# Altium PCB PCB3.PcbDoc (part 2 of 2)
Units mm, origin at the board's own origin, x right, y up, seen from the top; angles counter-clockwise.
Board outline 148.46 x 104.65 mm, 2 copper layers (Top Layer, Bottom Layer); 124 components, 113 nets, 458 pads, 242 vias.
Unrouted connection lines stored in the file: 5.
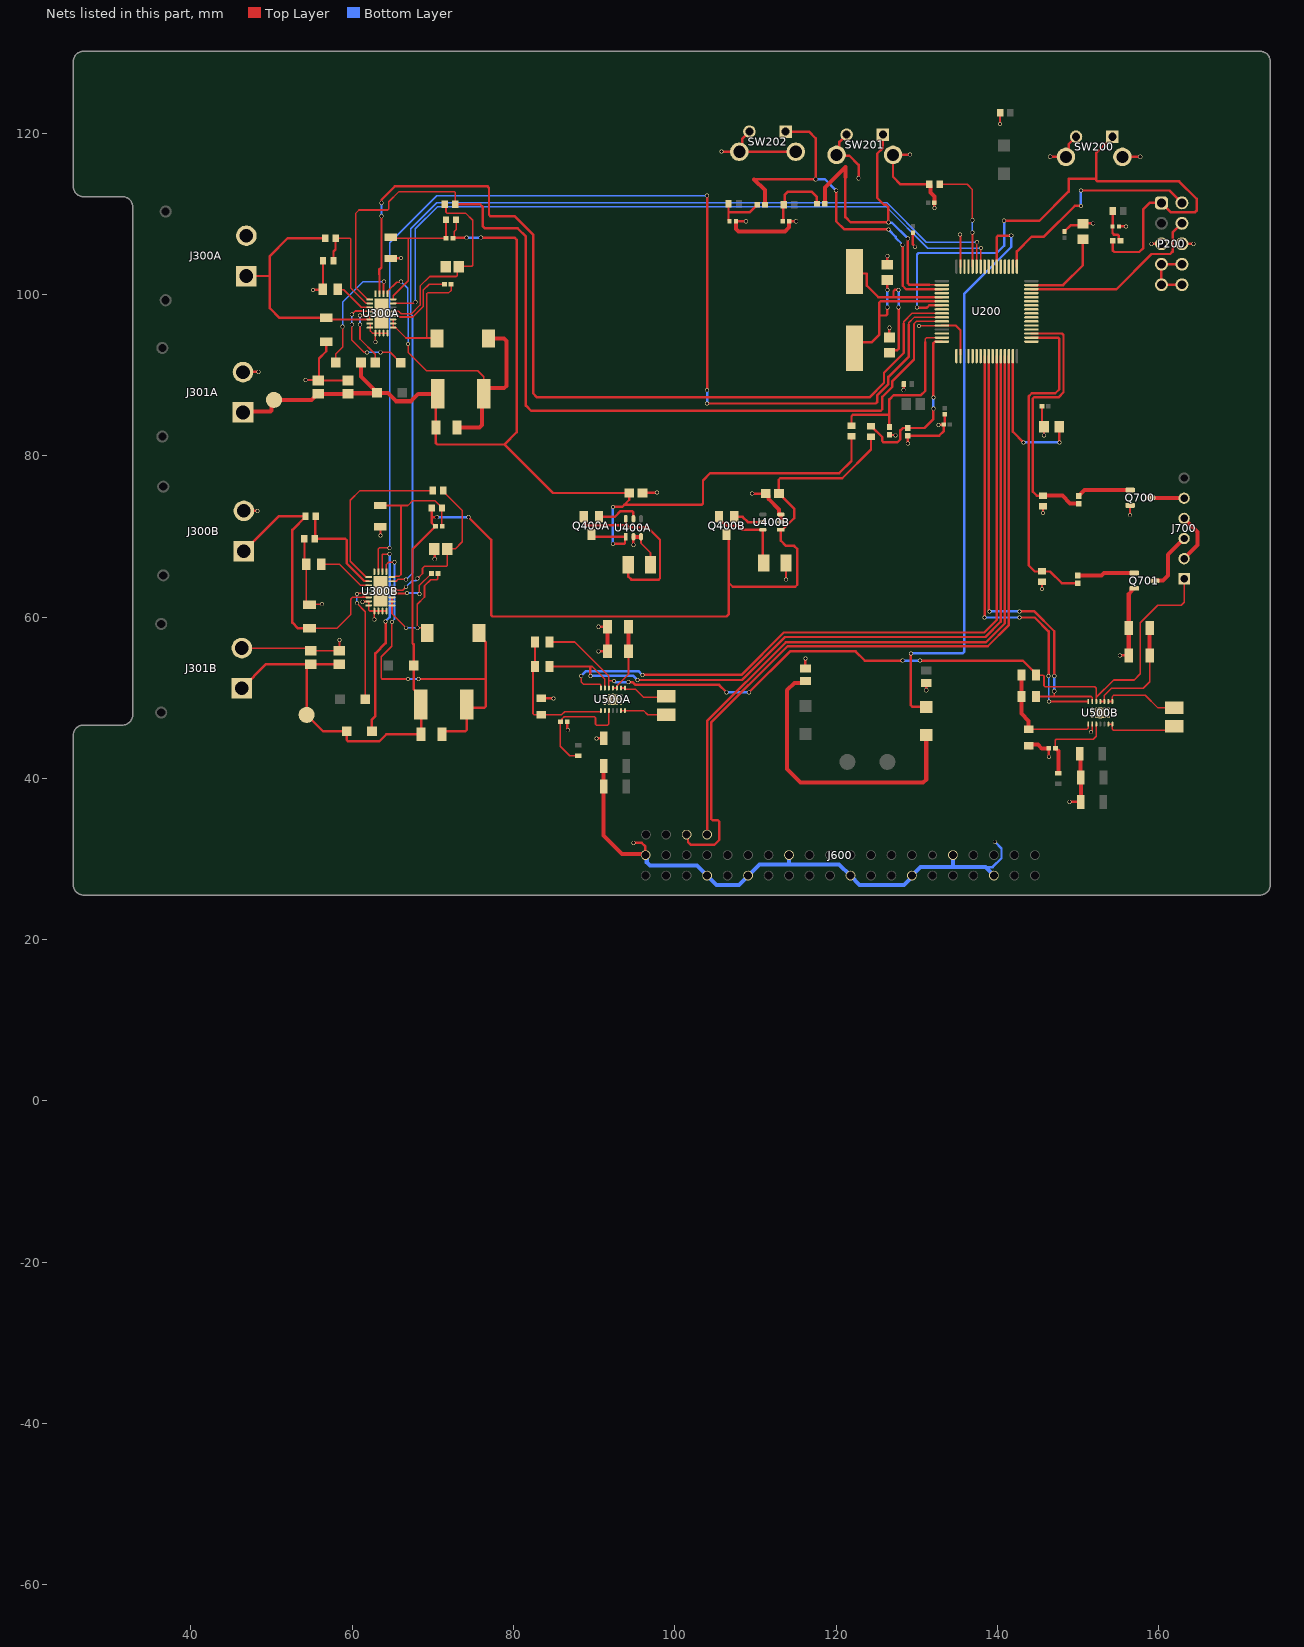
[diagram p2: the nets of this part, all layers, seen from the top]

## Via types
v1: diameter 0.5, hole 0.4, Top Layer to Bottom Layer, 167 vias
v2: diameter 0.5, hole 0.5, Top Layer to Bottom Layer, 40 vias
v3: diameter 0.35, hole 0.2, Top Layer to Bottom Layer, 30 vias
v4: diameter 5, hole 3.1, Top Layer to Bottom Layer, 5 vias

## Nets (pads, with @x,y where several pads share a name; then routed paths per layer and width w, separated by ;. In a path a pad name is that pad's centre, name@x,y a point inside that pad or via, vN(x,y) a via of type N, cw(c..) or ccw(c..) an arc to the next point about the centre after c; other vN are vias at no path point) (continued)
"C LED USE": D700.1 R705.2 | length 36.1
  Top Layer w0.5: R705.2@116.205,52.07 115.98,51.845 114.837,51.845 113.919,50.927 113.919,41.148 115.57,39.497 130.81,39.497 131.191,39.878 D700.1@131.191,45.367
EN: NT1A.2 U300A.4 | length 12.8
  Top Layer w0.2: v1(59.944,96.266) 59.944,94.361 61.468,92.837 61.833,92.837 v1(61.841,92.829) ; v1(59.944,97.536) 60.367,97.959 61.279,97.959 61.325,97.913 U300A.4@62.186,97.913 U300A.4@62.184,97.915 ; v1(63.5,92.837) 64.72,92.837 NT1A.2@65.996,91.561
  Bottom Layer w0.2: v1(59.944,96.266) v1(59.944,97.536) ; v1(61.841,92.829) 61.845,92.833 63.496,92.833 v1(63.5,92.837)
"EN B": NT1B.2 U300B.4 | length 18.3
  Top Layer w0.2: NT1B.2@58.491,49.8 58.42,49.871 58.42,51.064 58.537,51.181 59.309,51.181 60.071,51.943 60.071,57.277 v1(58.801,58.547) ; v1(58.801,60.071) 58.801,62.992 59.256,63.447 U300B.4@62.044,63.447
  Bottom Layer w0.2: v1(58.801,58.547) v1(58.801,60.071)
"EN B": J700.1 R502A.1 R502B.1 U500A.12 U500B.12 | length 100.6
  Top Layer w0.2: R502A.1@84.466,56.913 87.613,56.913 91.826,52.7 91.826,52.197 ; U500A.12@91.826,51.201 91.826,52.197 ; v1(92.456,52.07) 92.409,52.117 91.906,52.117 91.826,52.197 ; R502B.1@144.791,52.804 145.679,52.804 145.796,52.686 145.796,51.467 145.913,51.35 152.104,51.35 152.289,51.165 152.289,50.054 ; U500B.12@152.281,49.533 152.289,49.541 152.289,50.054 ; J700.1@163.174,64.743 163.174,61.828 162.814,61.468 159.894,61.468 157.734,59.308 157.734,52.959 156.972,52.197 154.432,52.197 152.289,50.054
  Top Layer w0.3: v1(94.234,51.943) 94.272,51.905 94.821,51.905 95.128,51.597 105.502,51.597 v1(106.426,50.673) ; v1(109.22,50.673) 114.3,55.753 122.428,55.753 123.571,54.61 v1(128.27,54.61) ; v1(130.429,54.61) 143.16,54.61 144.791,52.979 R502B.1@144.791,52.804
  Bottom Layer w0.3: v1(92.456,52.07) 92.51,52.07 92.637,51.943 v1(94.234,51.943) ; v1(106.426,50.673) v1(109.22,50.673) ; v1(128.27,54.61) v1(130.429,54.61)
FB: C303A.2 R303A.1 R306A.2 U300A.20 | length 17.6
  Top Layer w0.2: R306A.2@64.77,107.125 64.897,106.998 66.929,106.998 ; U300A.20@65.068,99.413 65.068,99.85 66.929,101.711 66.929,106.998 ; C303A.2@71.628,109.284 R303A.1@71.628,106.998 66.929,106.998
"FB B": C303B.2 R303B.1 R306B.2 U300B.20 | length 20.4
  Top Layer w0.2: R306B.2@63.485,73.842 66.04,73.842 ; U300B.20@64.926,64.947 65.231,64.947 65.369,65.085 65.847,65.085 66.04,65.278 66.04,73.842 ; R303B.1@71.164,71.247 71.11,71.301 C303B.2@71.11,73.533 71.11,73.583 70.271,74.422 67.486,74.422 66.905,73.842 66.04,73.842
"FB TPS": R501A.1 R503A.2 U500A.3 | length 14.7
  Top Layer w0.2: R501A.1@88.011,42.801 86.993,42.801 85.808,43.986 R503A.2@85.808,47.007 85.833,47.007 86.008,47.182 86.008,47.357 86.276,47.625 90.053,47.625 90.17,47.508 90.17,46.736 90.297,46.609 91.694,46.609 91.826,46.741 U500A.3@91.826,48.401
"FB TPS B": R501B.1 R503B.2 U500B.3 | length 11
  Top Layer w0.2: R503B.2@147.287,43.665 R503B.2@147.237,43.715 147.193,43.759 147.193,44.714 147.31,44.831 151.892,44.831 152.281,45.22 U500B.3@152.281,46.733
  Top Layer w0.5: R503B.2@147.287,43.665 147.574,43.378 R501B.1@147.574,40.638
G1: Q700.1 R700.2 | length 6.7
  Top Layer w0.5: R700.2@150.114,75.024 150.114,75.049 150.189,75.124 150.214,75.124 150.843,75.753 Q700.1@156.479,75.753
G2: R702.1 R703.2 U200.34 | length 41.9
  Top Layer w0.3: U200.34@144.234,94.668 147.521,94.668 147.701,94.488 147.701,88.265 147.193,87.757 144.272,87.757 143.891,87.376 143.891,66.421 144.653,65.659 R703.2@145.542,65.659 146.558,65.659 148.016,64.201 R702.1@149.987,64.201
GND: C200.1 C201.1 C202.1 C203.1 C204.1 C205.1 C206.1 C207.2 C208.2 C209.2 C210.2 C211.2 C212.2 C213.2 C301A.2 C301B.2 C304A.2 C304B.2 C305A.2 C305B.2 C306A.1 C306B.1 C400A.2 C400B.2 C401A.2 C401B.2 C500A.1 C500B.1 C501A.1 C501B.1 C502A.1 C502B.1 C503A.1 C503B.1 C504A.1 C504B.1 C505A.2 C505B.2 J300A.N J300B.N J301A.N J301B.N J600.6 J600.9 J600.14 J600.20 J600.25 J600.30 J600.34 J600.39 P200.5 P200.6 Q700.2 Q701.2 R202.1 R203.1 R210.1 R304A.2 R304B.2 R305A.1 R305B.1 R306A.1 R306B.1 R503A.1 R503B.1 R701.1 R703.1 R704.1 R705.1 R706.1 SW200.2 SW200.3 SW200.4 SW201.2 SW201.3 SW201.4 SW202.2 SW202.3 SW202.4 U200.12 U200.18 U200.63 U300A.7 U300A.8 U300A.9 U300A.10 U300A.11 U300A.12 U300A.25 U300B.7 U300B.8 U300B.9 U300B.10 U300B.11 U300B.12 U300B.25 U400A.2 U400A.3 U400B.2 U400B.3 U500A.2 U500A.15 U500B.2 U500B.15 | length 272.7
  Top Layer w0.2: J301B.N@46.307,56.157 54.509,56.157 C305B.2@54.849,55.817 C304B.2@58.405,55.817 58.42,55.832 v1(58.42,57.15) ; R304B.2@54.072,69.723 54.072,66.781 R305B.1@54.305,66.548 54.305,61.963 C301B.2@54.722,61.546 54.771,61.595 v1(56.261,61.595) ; v1(61.258,61.892) 61.305,61.939 62.036,61.939 U300B.7@62.044,61.947 U300B.8@62.044,61.447 62.044,60.892 62.18,60.756 U300B.9@62.735,60.756 ; U300A.8@62.186,95.913 U300A.8@62.21,95.913 ; U300A.7@62.186,96.413 62.21,96.413 62.23,96.393 62.23,95.933 U300A.8@62.21,95.913 ; v1(62.738,59.69) 62.737,59.691 62.737,60.755 U300B.9@62.735,60.756 ; v1(62.865,94.107) 62.871,94.113 62.871,95.216 U300A.9@62.877,95.222 ; U300B.12@64.235,60.756 U300B.11@63.735,60.756 U300B.10@63.235,60.756 U300B.9@62.735,60.756 ; U300A.12@64.377,95.222 U300A.11@63.877,95.222 U300A.10@63.377,95.222 U300A.9@62.877,95.222 ; U400A.3@95.819,69.962 95.819,69.154 96.984,67.989 C401A.2@96.984,66.505 ; v1(130.302,96.118) 130.338,96.154 133.119,96.154 U200.12@133.134,96.168 ; v1(151.638,45.72) 151.638,45.801 151.781,45.944 U500B.2@151.781,46.733 ; U300A.8@62.21,95.913 62.223,95.913 62.242,95.893 62.242,95.492 62.512,95.222 U300A.9@62.877,95.222
  Top Layer w0.3: J301A.N@46.449,90.384 46.469,90.404 48.367,90.404 v1(48.387,90.424) ; J300B.N@46.561,73.175 46.572,73.163 48.249,73.163 v1(48.26,73.152) ; v1(54.229,89.408) 55.734,89.408 C305A.2@55.797,89.345 ; v1(55.118,100.584) 56.288,100.584 R305A.1@56.352,100.648 56.373,100.669 R304A.2@56.373,104.204 ; C301A.2@56.769,94.156 56.769,92.964 55.88,92.075 55.88,89.428 C305A.2@55.797,89.345 ; C304A.2@59.48,89.345 C305A.2@55.797,89.345 ; R306B.1@63.485,71.192 63.5,71.177 v1(63.5,70.104) ; R306A.1@64.77,104.475 64.816,104.521 v1(66.04,104.521) ; C306B.1@70.178,68.453 70.231,68.4 v1(70.231,67.183) ; C505A.2@83.439,49.928 83.456,49.911 v1(84.963,49.911) ; R503A.1@86.658,47.007 86.658,46.111 86.741,46.028 v1(86.741,45.974) ; v1(90.297,44.958) 91.166,44.958 C502A.1@91.183,44.975 ; v1(90.551,55.753) 91.644,55.753 C501A.1@91.661,55.77 ; v1(90.551,58.801) 91.644,58.801 C500A.1@91.661,58.818 ; v1(94.869,32.004) 95.885,32.004 96.359,31.53 96.359,30.514 J600.39@96.393,30.48 ; v1(94.869,68.961) U400A.2@94.869,69.962 ; C400A.2@96.012,75.395 96.055,75.438 v1(97.79,75.438) ; v1(105.791,117.729) 105.801,117.719 107.996,117.719 SW202.4@108.006,117.71 ; C209.2@107.588,109.093 v1(108.839,109.093) ; SW202.2@109.256,120.21 108.356,119.31 108.356,118.06 SW202.4@108.006,117.71 ; v1(109.601,75.311) 111.256,75.311 C400B.2@111.279,75.334 ; v1(113.792,64.643) 113.792,66.693 C401B.2@113.797,66.698 ; C208.2@114.193,109.094 v1(115.062,109.093) ; SW202.3@115.006,117.71 SW202.4@108.006,117.71 ; R705.1@116.205,53.62 v1(116.205,54.864) ; SW201.2@121.321,119.829 120.421,118.929 120.421,117.679 SW201.4@120.071,117.329 120.184,117.216 121.671,117.216 122.809,116.078 v1(122.809,114.427) ; v1(126.365,104.775) 126.365,103.702 C210.2@126.368,103.698 ; v1(126.619,95.885) 126.619,94.685 C211.2@126.622,94.681 ; R202.1@126.622,82.633 126.668,82.588 127.343,82.588 v1(127.381,82.55) ; v1(128.397,88.138) 128.409,88.15 128.409,88.888 C206.1@128.42,88.9 ; v1(128.905,81.534) 128.907,81.536 128.907,82.505 R203.1@128.908,82.506 132.798,82.506 133.37,83.078 133.37,83.87 133.48,83.98 C200.1@133.48,85.141 ; v1@129.197,117.31 v1(129.159,117.348) 129.149,117.338 127.081,117.338 SW201.3@127.071,117.329 127.071,114.61 128.019,113.662 129.661,113.662 129.665,113.666 R210.1@131.558,113.666 ; C201.1@129.541,107.697 129.541,106.225 129.794,105.972 v1(129.794,105.918) ; v1(131.191,50.927) R704.1@131.191,51.816 ; v1(132.207,110.744) C205.1@132.208,111.38 ; v1(132.715,83.82) 132.74,83.845 133.329,83.845 C202.1@133.354,83.87 ; U200.12@133.134,96.168 134.845,96.168 135.434,95.579 U200.18@135.434,92.583 ; v1(135.382,107.442) 135.382,107.388 135.434,107.336 U200.63@135.434,103.468 ; v1(140.335,121.158) 140.34,121.163 140.34,122.55 R706.1@140.345,122.555 ; v1(145.542,63.5) R703.1@145.542,64.359 ; C203.1@145.546,86.157 145.546,83.875 C213.2@145.804,83.617 145.796,83.609 v1(145.796,82.55) ; v1(145.669,72.898) R701.1@145.669,73.772 ; R503B.1@146.387,43.715 146.409,43.693 146.409,42.694 v1(146.431,42.672) ; v1(146.558,117.094) 146.568,117.084 148.509,117.084 SW200.4@148.519,117.075 148.869,117.425 148.869,118.675 SW200.2@149.769,119.575 ; C204.1@148.346,107.833 148.346,107.853 149.078,108.585 150.432,108.585 C212.2@150.625,108.778 150.686,108.839 v1(151.892,108.839) ; v1(148.971,37.084) 150.345,37.084 C504B.1@150.362,37.067 ; C207.2@155.087,108.459 v1(155.956,108.458) ; v1(155.194,55.245) 156.29,55.245 C501B.1@156.307,55.228 ; SW200.3@155.519,117.075 155.529,117.084 157.724,117.084 v1(157.734,117.094) ; v1(156.464,72.644) 156.464,73.838 Q700.2@156.479,73.853 ; v1(159.131,106.299) P200.5@160.359,106.299 ; P200.6@162.899,106.299 v1(164.338,106.299)
  Top Layer w0.5: C503A.1@91.183,41.529 91.186,41.529 91.183,41.526 C504A.1@91.183,38.989 91.183,32.896 93.472,30.607 96.266,30.607 J600.39@96.359,30.514 ; C501A.1@91.661,55.77 C500A.1@91.661,58.818 ; U400A.2@94.869,69.962 U400A.3@95.819,69.962 ; C401A.2@96.984,66.505 C401A.2@97.155,66.676 ; C209.2@107.588,109.093 107.588,108.116 107.881,107.823 113.665,107.823 114.192,108.35 C208.2@114.192,109.094 ; C400B.2@111.279,75.334 111.348,75.334 111.632,75.05 111.632,74.677 112.937,73.372 112.937,72.735 112.944,72.728 U400B.3@113.157,72.728 U400B.2@113.157,71.778 ; R210.1@131.558,113.666 131.708,113.516 131.708,112.64 132.208,112.14 C205.1@132.208,111.38 ; C505B.2@144.119,43.815 C505B.2@143.891,44.043 144.044,44.196 145.034,44.196 145.515,43.715 R503B.1@146.387,43.715 ; C204.1@148.336,107.823 C204.1@148.346,107.833 ; C502B.1@150.238,43.036 150.302,42.972 150.302,40.178 C503B.1@150.365,40.115 150.364,40.113 150.364,37.068 C504B.1@150.362,37.067 ; C501B.1@156.307,55.228 C500B.1@156.307,58.657 156.307,62.886 156.632,63.211 156.632,63.521 156.677,63.566 Q701.2@156.987,63.566
  Bottom Layer w0.3: J300A.N@46.863,107.299 J300A.N@47.133,107.299 ; 138.523,28.99 139.427,28.99 140.523,30.086 140.523,31.308 v1(139.7,32.131)
  Bottom Layer w0.5: J600.39@96.393,30.48 96.527,30.346 96.527,29.584 96.901,29.21 102.743,29.21 J600.34@104.013,27.94 105.156,26.797 107.95,26.797 110.49,29.337 114.173,29.337 ; J600.25@114.173,30.48 114.173,29.337 ; J600.9@134.493,30.48 134.493,28.99 ; J600.6@139.573,27.94 138.523,28.99 134.493,28.99 ; 114.173,29.337 120.396,29.337 J600.20@121.793,27.94 122.936,26.797 128.459,26.797 129.413,27.751 J600.14@129.413,27.94 130.463,28.99 134.493,28.99
  other v3: 151.781,47.633 152.281,47.633 152.781,47.633 153.281,47.633 153.781,47.633 151.781,48.133 152.281,48.133 152.781,48.133 153.281,48.133 153.781,48.133 151.781,48.633 152.281,48.633 152.781,48.633 153.281,48.633 153.781,48.633 91.326,49.301 91.826,49.301 92.326,49.301 92.826,49.301 93.326,49.301 91.326,49.801 91.826,49.801 92.326,49.801 92.826,49.801 93.326,49.801 91.326,50.301 91.826,50.301 92.326,50.301 92.826,50.301 93.326,50.301
ICTRL: U300A.24
"ICTRL B": U300B.24
INTVcc: C306A.2 R302A.2 U300A.17 | length 24.7
  Top Layer w0.2: U300A.17@65.068,97.913 65.774,97.913 66.066,97.621 67.337,97.621 68.415,98.699 68.415,101.054 69.596,102.235 72.908,102.235 73.025,102.352 73.025,103.277 C306A.2@73.19,103.442 73.253,103.505 74.813,103.505 74.93,103.622 74.93,109.22 74.041,110.109 71.745,110.109 71.628,110.226 71.628,111.047 R302A.2@71.486,111.189
"INTVcc B": C306B.2 R302B.2 U300B.17 | length 20.3
  Top Layer w0.2: U300B.17@64.926,63.447 64.934,63.439 65.45,63.439 65.558,63.331 66.252,63.331 v1(66.675,63.754) ; v1(68.072,64.77) 68.707,65.405 68.707,66.04 68.961,66.294 71.661,66.294 71.778,66.411 C306B.2@71.778,68.453 72.771,68.453 73.66,69.342 73.66,73.219 71.262,75.617 R302B.2@71.262,75.692
  Bottom Layer w0.2: v1(66.675,63.754) 67.437,64.516 67.955,64.516 67.955,64.572 68.072,64.689 v1(68.072,64.77)
ISN: NT2A.1 U300A.22 | length 15.5
  Top Layer w0.2: NT2A.1@57.956,91.573 57.956,92.627 58.801,93.472 v1(58.801,96.012) ; U300A.22@63.877,100.104 63.879,100.106 63.879,101.556 v1(63.923,101.6)
  Bottom Layer w0.2: v1(58.801,96.012) 58.801,99.06 61.341,101.6 v1(63.923,101.6)
"ISN B": NT2B.1 U300B.22 | length 26
  Top Layer w0.2: U300B.22@63.735,65.638 63.735,67.799 64.624,67.799 v1(64.643,67.818)
  Top Layer w0.3: NT2B.1@62.44,45.841 62.44,47.288 62.865,47.713 62.865,55.499 64.138,56.772 64.138,59.433 v1(64.135,59.436)
  Bottom Layer w0.3: v1(64.135,59.436) 64.135,59.486 64.643,59.994 v1(64.643,67.818)
ISP: C302A.1 L300A.2 R300A.1 U300A.21 | length 42.8
  Top Layer w0.2: U300A.21@64.377,100.104 64.377,100.398 65.522,101.543 65.983,101.543 v1(66.04,101.6) ; v1(66.929,93.853) 66.929,92.818 69.196,90.551 75.565,90.551 76.305,89.811 76.305,87.817 R300A.1@76.305,87.694
  Top Layer w0.5: C302A.1@72.972,83.503 75.78,83.503 76.073,83.796 76.073,87.585 76.305,87.817 76.88,88.392 78.828,88.392 79.121,88.685 79.121,94.259 78.828,94.552 L300A.2@76.904,94.552
  Bottom Layer w0.2: v1(66.04,101.6) 66.868,100.772 66.868,97.412 66.929,97.351 v1(66.929,93.853)
"ISP B": C320B.1 L300B.2 R300B.1 U300B.21 | length 48
  Top Layer w0.2: U300B.21@64.235,65.638 64.235,66.521 64.516,66.802 v1(65.243,66.802) ; v1(64.94,59.393) 64.897,59.349 64.897,56.388 63.579,55.07 63.579,52.441 63.696,52.324 v1(66.929,52.324) ; v1(68.21,52.324) 76.581,52.324
  Top Layer w0.3: C320B.1@71.135,45.466 71.516,45.847 74.038,45.847 74.214,46.023 74.214,48.641 74.341,48.768 76.405,48.768 76.581,48.944 76.581,52.324 76.581,52.578 76.581,56.86 75.702,57.739 L300B.2@75.702,58.039
  Bottom Layer w0.2: v1(64.94,59.393) 64.94,59.474 65.236,59.77 65.236,66.795 v1(65.243,66.802) ; v1(66.929,52.324) v1(68.21,52.324)
NetC210_1: C210.1 U200.6 Y200.1 | length 20.1
  Top Layer w0.3: Y200.1@122.301,93.346 123.062,94.107 124.46,94.107 125.349,94.996 125.349,97.409 ; v1(126.365,98.425) 126.365,97.585 126.189,97.409 125.349,97.409 ; v1(126.365,100.584) 126.365,101.795 C210.1@126.368,101.798 ; U200.6@132.334,99.168 125.525,99.168 125.349,98.992 125.349,97.409
  Bottom Layer w0.3: v1(126.365,98.425) v1(126.365,100.584)
NetC211_1: C211.1 U200.5 Y200.2 | length 23.1
  Top Layer w0.3: Y200.2@122.301,102.846 122.531,102.616 123.825,102.616 123.825,101.092 125.249,99.668 127.127,99.668 ; C211.1@126.622,92.781 126.932,93.091 127.586,93.091 127.762,93.267 v1(127.762,98.425) ; v1(127.762,100.584) 127.303,100.584 127.127,100.408 127.127,99.668 ; U200.5@133.134,99.668 127.127,99.668
  Bottom Layer w0.3: v1(127.762,98.425) v1(127.762,100.584)
NetC212_1: C212.1 U200.47 | length 10.7
  Top Layer w0.3: U200.47@144.234,101.168 148.158,101.168 150.625,103.635 C212.1@150.625,106.878
NetC213_1: C213.1 U200.31 | length 17.1
  Top Layer w0.3: U200.31@141.934,91.821 141.934,82.983 v1(143.256,81.661) ; v1(147.701,81.661) 147.701,83.614 C213.1@147.704,83.617
  Bottom Layer w0.3: v1(143.256,81.661) v1(147.701,81.661)
NetC300A_1: C300A.1 U300A.16 | length 9.3
  Top Layer w0.2: U300A.16@65.068,97.413 65.708,97.413 65.901,97.221 67.503,97.221 68.815,98.533 68.815,100.565 69.533,101.283 C300A.1@71.463,101.283
NetC300B_1: C300B.1 U300B.16 | length 6.6
  Top Layer w0.2: U300B.16@64.926,62.947 64.934,62.939 65.385,62.939 65.393,62.931 66.66,62.931 66.721,62.992 v1(66.802,62.992) ; v1(68.326,62.865) 68.326,63.915 C300B.1@69.816,65.405
  Bottom Layer w0.2: v1(66.802,62.992) 68.118,62.992 68.245,62.865 v1(68.326,62.865)
NetC302A_2: C302A.2 C303A.1 C304A.1 C305A.1 C400A.1 J301A.P NT2A.2 NT3A.2 Q400A.3 R200.2 R300A.2 R303A.2 TP300A.1 U400A.1 | length 150.1
  Top Layer w0.2: R303A.2@72.509,107.03 72.644,107.164 72.644,107.823 72.878,108.057 C303A.1@72.878,109.284
  Top Layer w0.3: R300A.2@70.595,87.694 70.372,87.471 C302A.2@70.372,83.503 70.372,81.583 70.548,81.407 78.867,81.407 ; R303A.2@72.478,106.998 72.509,107.03 74.137,107.03 v1(74.168,107.061) ; v1(75.946,107.061) 80.137,107.061 80.391,106.807 80.391,82.931 78.867,81.407 ; Q400A.3@89.662,70.231 89.916,69.977 93.903,69.977 93.826,69.9 93.826,69.186 93.728,69.088 v1(92.329,69.088) ; v1(92.329,73.66) 93.472,73.66 93.726,73.914 ; R200.2@121.923,82.443 121.923,79.378 120.396,77.851 104.394,77.851 103.505,76.962 103.505,74.09 103.329,73.914 93.726,73.914 ; 78.867,81.407 84.879,75.395 C400A.1@94.36,75.395 94.36,74.548 93.726,73.914
  Top Layer w0.5: J301A.P@46.449,85.384 46.536,85.471 49.872,85.471 50.005,85.604 50.005,86.645 TP300A.1@50.292,86.932 54.935,86.932 55.696,87.693 C305A.1@55.797,87.693 C304A.1@59.48,87.693 59.547,87.76 63.013,87.76 NT3A.2@63.08,87.827 ; NT2A.2@61.087,91.567 61.087,89.82 NT3A.2@63.08,87.827 ; R300A.2@70.595,87.694 68.184,87.694 67.261,86.771 65.425,86.771 64.43,87.766 63.142,87.766 NT3A.2@63.08,87.827
  Bottom Layer w0.3: v1(74.168,107.061) v1(75.946,107.061) ; v1(92.329,69.088) v1(92.329,73.66)
NetC303B_1: C303B.1 C304B.1 C305B.1 C320B.2 C400B.1 J301B.P NT2B.2 NT3B.2 Q400B.3 R201.2 R300B.2 R303B.2 TP300B.1 U400B.1 | length 163.2
  Top Layer w0.3: J301B.P@46.307,51.157 49.315,54.165 C305B.1@54.794,54.165 ; C304B.1@58.405,54.165 C305B.1@54.849,54.165 C305B.1@54.794,54.165 ; C303B.1@69.86,73.533 69.86,72.39 ; R303B.2@70.314,71.247 R303B.2@70.289,71.247 ; v1(70.485,72.39) 69.86,72.39 ; v1(74.422,72.39) 77.216,69.596 77.216,60.247 77.392,60.071 106.426,60.071 106.68,60.325 106.68,64.262 ; Q400B.3@106.426,70.231 106.68,69.977 106.68,64.262 ; R201.2@124.336,82.346 124.336,80.775 120.777,77.216 113.079,77.216 112.903,77.04 112.903,75.431 113.384,74.95 113.384,74.881 114.808,73.456 114.808,72.252 113.384,70.828 U400B.1@113.157,70.828 113.157,69.469 113.792,68.834 114.808,68.834 115.189,68.453 115.189,64.008 114.935,63.754 107.188,63.754 106.68,64.262 ; C305B.1@54.794,54.165 54.341,53.712 TP300B.1@54.341,47.879 56.373,45.847 NT2B.2@59.309,45.847 59.309,44.753 59.485,44.577 63.341,44.577 64.23,45.466 C320B.2@68.535,45.466 68.535,49.118 R300B.2@68.504,49.149 68.504,50.164 67.61,51.058 67.61,56.61 67.472,56.748 67.472,68.405 70.164,71.097 70.164,71.122 R303B.2@70.289,71.247 ; 69.86,72.39 69.86,71.676 R303B.2@70.289,71.247
  Bottom Layer w0.3: v1(70.485,72.39) v1(74.422,72.39)
NetC401A_1: C401A.1 Q400A.2 U400A.6 | length 22.4
  Top Layer w0.3: Q400A.2@88.712,72.431 88.9,72.243 88.9,71.55 89.076,71.374 94.107,71.374 ; U400A.6@93.919,72.192 93.955,72.157 93.955,71.526 94.107,71.374 ; C401A.1@94.234,66.505 94.234,65.024 94.615,64.643 97.995,64.643 98.171,64.819 98.171,69.596 96.647,71.12 94.361,71.12 94.107,71.374
NetC401B_1: C401B.1 Q400B.2 U400B.6 | length 10.4
  Top Layer w0.3: Q400B.2@105.476,72.431 105.476,72.231 106.397,71.31 107.887,71.31 108.369,70.828 U400B.6@110.926,70.828 110.926,66.819 C401B.1@111.047,66.698
NetD700_2: D700.2 U200.54 | length 74.5
  Top Layer w0.3: v1(129.286,55.499) 129.286,49.071 129.462,48.895 131.163,48.895 D700.2@131.191,48.867 ; U200.54@139.934,103.632 139.934,107.139 140.11,107.315 v1(141.732,107.315)
  Bottom Layer w0.3: v1(129.286,55.499) 135.714,55.499 135.89,55.675 135.89,100.076 141.732,105.918 v1(141.732,107.315)
NetL500A_1: L500A.1 U500A.6 U500A.7 | length 5.8
  Top Layer w0.2: U500A.6@93.326,48.401 93.34,48.387 93.812,48.387 U500A.7@93.826,48.401 96.125,48.401 96.647,47.879 98.898,47.879 L500A.1@98.933,47.914
NetL500A_2: L500A.2 U500A.8 U500A.9 | length 6.2
  Top Layer w0.2: U500A.9@93.326,51.201 93.326,51.2 93.345,51.181 93.365,51.201 U500A.8@93.826,51.201 93.826,51.072 93.845,51.054 95.123,51.054 96.139,50.038 98.806,50.038 L500A.2@98.933,50.165
NetL500B_1: L500B.1 U500B.6 U500B.7 | length 9
  Top Layer w0.2: U500B.6@153.781,46.733 U500B.7@154.281,46.733 154.281,46.091 154.398,45.974 161.417,45.974 L500B.1@161.925,46.482
NetL500B_2: L500B.2 U500B.8 U500B.9 | length 9.5
  Top Layer w0.2: U500B.9@153.781,49.533 U500B.8@154.281,49.533 154.281,50.141 154.432,50.292 158.369,50.292 159.928,48.733 L500B.2@161.925,48.733
NetQ400A_1: Q400A.1 U400A.5 | length 5.4
  Top Layer w0.3: Q400A.1@90.612,72.431 92.555,72.431 93.276,73.152 94.693,73.152 94.869,72.976 U400A.5@94.869,72.192
NetQ400B_1: Q400B.1 U400B.5 | length 3.8
  Top Layer w0.3: Q400B.1@107.376,72.431 108.417,72.431 109.07,71.778 U400B.5@110.926,71.778
NetQ701_1: Q701.1 R702.2 | length 7.1
  Top Layer w0.5: R702.2@149.987,65.151 152.908,65.151 153.223,65.466 Q701.1@156.987,65.466
NetR210_2: R210.2 U200.60 | length 13.9
  Top Layer w0.2: R210.2@132.858,113.666 136.27,113.666 136.906,113.03 v1(136.906,109.22) ; v1(136.906,107.696) 136.92,107.682 136.92,103.482 U200.60@136.934,103.468
  Bottom Layer w0.2: v1(136.906,107.696) v1(136.906,109.22)
NetR302A_1: R302A.1 U200.11 U300A.1 | length 120.2
  Top Layer w0.2: U300A.1@62.186,99.413 61.892,99.413 60.452,100.853 60.452,110.109 60.833,110.49 64.399,110.49 64.516,110.607 64.516,111.506 65.786,112.776 72.654,112.776 72.771,112.659 72.771,111.204 R302A.1@72.786,111.189 ; 129.667,96.139 129.667,96.393 129.942,96.668 U200.11@133.134,96.668
  Top Layer w0.3: R302A.1@72.786,111.189 75.882,111.189 76.2,110.871 76.2,108.458 76.454,108.204 80.518,108.204 81.534,107.188 81.534,86.233 82.169,85.598 125.554,85.598 125.73,85.774 125.73,87.304 126.992,88.566 126.992,89.273 129.667,91.948 129.667,96.139
NetR500A_1: R500A.1 U200.28 U500A.13 | length 96.8
  Top Layer w0.2: R500A.1@84.466,53.865 89.535,53.865 ; 89.535,53.721 89.535,53.865 ; U500A.13@91.326,51.201 91.326,52.311 89.772,53.865 89.535,53.865
  Top Layer w0.3: v1(89.535,52.705) 89.535,53.721 ; v1(95.382,52.21) 95.395,52.197 108.331,52.197 113.665,57.531 138.533,57.531 140.434,59.432 U200.28@140.434,92.368
  Bottom Layer w0.3: v1(89.535,52.705) 94.887,52.705 v1(95.382,52.21)
NetR500B_1: R500B.1 U200.25 U500B.13 | length 56.4
  Top Layer w0.2: R500B.1@144.78,50.148 147.066,50.148 ; v1(147.066,50.8) 147.066,50.148 ; U500B.13@151.781,49.533 151.781,50.035 151.664,50.152 148.424,50.152 148.42,50.148 147.066,50.148
  Top Layer w0.3: U200.25@138.934,92.368 138.934,60.86 139.034,60.76 v1(139.034,60.706) ; v1(142.748,60.706) 144.598,60.706 147.066,58.238 v1(147.066,52.705)
  Bottom Layer w0.3: v1(139.034,60.706) v1(142.748,60.706) ; v1(147.066,50.8) v1(147.066,52.705)
NetR700_1: R700.1 R701.2 U200.35 | length 33.1
  Top Layer w0.3: U200.35@144.234,95.168 148.033,95.168 148.209,94.992 148.209,87.884 147.574,87.249 144.575,87.249 144.399,87.073 144.399,75.565 144.892,75.072 R701.2@145.669,75.072
  Top Layer w0.5: R701.2@145.669,75.072 148.067,75.072 149.039,74.1 150.088,74.1 R700.1@150.114,74.074
NetU200_9: U200.9 U300A.23 | length 113.6
  Top Layer w0.2: 63.373,102.489 63.373,101.1 63.377,101.096 U300A.23@63.377,100.104 ; 128.397,96.393 128.397,96.647 129.418,97.668 U200.9@133.134,97.668
  Top Layer w0.3: 63.373,102.489 63.373,103.124 63.627,103.378 v1(63.627,109.728) ; v1(63.627,111.379) 63.627,111.76 65.278,113.411 76.786,113.411 76.962,113.235 76.962,109.904 77.138,109.728 80.137,109.728 82.423,107.442 82.423,87.757 82.931,87.249 124.134,87.249 125.948,89.063 125.948,90.312 128.397,92.761 128.397,96.393
  Bottom Layer w0.3: v1(63.627,109.728) v1(63.627,111.379)
NetU200_10: U200.10 U300B.23 | length 146.7
  Top Layer w0.2: U300B.23@63.235,65.638 63.235,68.442 63.373,68.58 v1(64.643,68.58) ; 129.032,96.266 129.032,96.52 129.68,97.168 U200.10@133.134,97.168
  Top Layer w0.3: v1(104.013,86.487) 124.919,86.487 125.095,86.663 125.095,87.503 126.492,88.9 126.492,89.789 129.032,92.329 129.032,96.266 ; v1(104.013,88.138) v1(104.013,112.268)
  Bottom Layer w0.2: v1(64.643,68.58) 64.643,106.426 70.485,112.268 v1(104.013,112.268)
  Bottom Layer w0.3: v1(104.013,86.487) v1(104.013,88.138)
NetU200_24: U200.24 U500B.14 | length 54.7
  Top Layer w0.2: v1(146.431,49.53) 146.432,49.531 U500B.14@151.281,49.533 U500B.14@151.281,49.533
  Top Layer w0.3: v1(138.43,59.944) 138.43,60.032 138.434,60.036 138.434,60.794 138.434,91.055 U200.24@138.434,92.368 ; v1(142.748,59.944) 144.653,59.944 146.366,58.231 v1(146.366,52.705)
  Bottom Layer w0.2: v1(146.366,52.705) 146.399,52.673 146.399,49.562 v1(146.431,49.53)
  Bottom Layer w0.3: v1(138.43,59.944) v1(142.748,59.944)
NetU200_27: U200.27 U500A.14 | length 91.3
  Top Layer w0.2: v1(88.392,52.705) 88.392,51.943 88.646,51.689 90.709,51.689 90.818,51.579 90.818,51.209 U500A.14@90.826,51.201
  Top Layer w0.3: v1(96.012,52.832) 108.259,52.832 113.514,58.087 138.382,58.087 139.934,59.64 U200.27@139.934,92.368
  Bottom Layer w0.3: v1(88.392,52.705) 88.992,53.305 95.495,53.305 95.968,52.832 v1(96.012,52.832)
NRST: P200.1 R207.2 SW200.1 U200.7 | length 77.4
  Top Layer w0.3: v1(130.048,98.425) 130.086,98.387 131.28,98.387 131.561,98.668 U200.7@133.134,98.668 ; v1(140.843,109.157) 145.225,109.157 148.844,112.776 148.844,114.391 152.11,114.391 152.273,114.554 ; SW200.1@154.269,119.575 152.273,117.579 152.273,114.554 ; R207.2@154.338,106.681 154.338,105.459 154.514,105.283 157.607,105.283 158.115,105.791 158.115,110.617 158.877,111.379 P200.1@160.359,111.379 161.502,110.236 162.416,110.236 162.423,110.229 164.536,110.229 164.719,110.412 164.719,111.887 162.56,114.046 152.4,114.046 152.273,114.173 152.273,114.554
  Bottom Layer w0.3: v1(130.048,98.425) 130.048,104.98 130.224,105.156 139.937,105.156 140.843,106.062 v1(140.843,109.157)
"NRST NDB": C207.1 R204.1 R207.1 | length 4.4
  Top Layer w0.3: R204.1@154.305,110.364 154.296,110.355 154.296,108.469 C207.1@154.286,108.459 154.286,107.618 154.462,107.442 154.94,107.442 155.066,107.316 155.088,107.294 155.088,106.856 155.263,106.681 R207.1@155.288,106.681
PA0: U200.14
PA3: U200.17
PA4: U200.20
PA5: U200.21
PA6: U200.22
PA7: U200.23
PA8: U200.41
PA9: U200.42
PA10: U200.43
PA11: U200.44
PA12: U200.45
PA15: U200.50
PB0: U200.26
PB3: U200.55
PB4: U200.56
PB5: U200.57
PB8: U200.61
PB9: U200.62
PB12: U200.33
PB15: U200.36
PC0: U200.8
PC6: U200.37
PC7: U200.38
PC8: U200.39
PC9: U200.40
PC10: U200.51
PC11: U200.52
PC12: U200.53
PC15: U200.4
PG: U200.58 U300A.19 | length 87.7
  Top Layer w0.2: U300A.19@65.068,98.913 67.59,98.913 67.737,99.06 v1(67.818,99.06) ; U200.58@137.934,103.468 137.934,105.741 v1(137.984,105.791)
  Bottom Layer w0.2: v1(67.818,99.06) 67.818,108.146 70.543,110.871 126.261,110.871 131.376,105.756 137.949,105.756 v1(137.984,105.791)
"PG B": U200.59 U300B.19 | length 122.4
  Top Layer w0.2: U300B.19@64.926,64.447 64.934,64.455 65.455,64.455 65.685,64.685 66.633,64.685 v1(66.675,64.643) ; U200.59@137.434,103.468 137.434,106.286 137.484,106.335 v1(137.484,106.496)
  Bottom Layer w0.2: v1(66.675,64.643) 67.479,65.447 67.479,97.367 67.268,97.578 67.268,108.162 70.485,111.379 126.319,111.379 131.202,106.496 v1(137.484,106.496)
"POWER O1": J700.5 Q700.3 | length 4.2
  Top Layer w0.5: Q700.3@158.989,74.803 159.299,74.803 159.359,74.743 J700.5@163.174,74.743
"POWER O2": J700.3 Q701.3 | length 7.4
  Top Layer w0.5: Q701.3@159.497,64.516 160.528,64.516 161.163,65.151 161.163,67.732 J700.3@163.174,69.743
RT: R305A.2 U300A.3 | length 4.9
  Top Layer w0.2: R305A.2@58.202,100.648 58.266,100.584 58.928,100.584 61.099,98.413 U300A.3@62.186,98.413
"RT B": R305B.2 U300B.3 | length 7
  Top Layer w0.2: R305B.2@56.155,66.548 58.42,66.548 61.021,63.947 U300B.3@62.044,63.947
RX: J600.43 U200.30 | length 95.9
  Top Layer w0.3: J600.43@101.473,33.02 101.645,32.848 101.645,32.086 101.855,31.876 101.981,31.75 104.902,31.75 105.537,32.385 105.537,34.622 105.361,34.798 104.689,34.798 104.513,34.974 104.513,46.91 113.991,56.388 138.811,56.388 141.434,59.011 U200.30@141.434,92.368
SW: C300A.2 L300A.1 U300A.13 U300A.14 U300A.15 | length 16.5
  Top Layer w0.2: U300A.15@65.068,96.913 U300A.14@65.068,96.413 U300A.13@65.068,95.913 65.362,95.913 66.66,94.615 69.228,94.615 ; L300A.1@70.504,94.552 70.441,94.615 69.228,94.615 ; C300A.2@72.263,101.283 72.263,100.518 71.948,100.203 69.345,100.203 69.228,100.086 69.228,94.615
"SW B": C300B.2 L300B.1 U300B.13 U300B.14 U300B.15 | length 15.6
  Top Layer w0.2: U300B.15@64.926,62.447 U300B.14@64.926,61.947 U300B.13@64.926,61.447 64.926,60.423 v1(66.675,58.674) ; L300B.1@69.302,58.039 68.667,58.674 v1(68.072,58.674) 68.072,61.595 68.961,62.484 68.961,63.881 69.723,64.643 70.495,64.643 70.612,64.76 70.612,65.401 C300B.2@70.616,65.405
  Bottom Layer w0.2: v1(66.675,58.674) v1(68.072,58.674)
SWCLK: P200.2 U200.49 | length 27.2
  Top Layer w0.3: U200.49@142.434,103.468 142.434,105.35 144.272,107.188 145.796,107.188 149.606,110.998 v1(150.368,110.998) ; v1(150.368,112.903) 161.375,112.903 P200.2@162.899,111.379
  Bottom Layer w0.3: v1(150.368,110.998) v1(150.368,112.903)
SWDIO: P200.4 U200.46 | length 23.4
  Top Layer w0.3: U200.46@144.234,100.668 154.77,100.668 159.131,105.029 161.446,105.029 161.749,105.332 161.749,107.689 P200.4@162.899,108.839
"SYNC CHRGR": R302B.1 U300B.1 | length 21.4
  Top Layer w0.2: U300B.1@62.044,64.947 61.75,64.947 59.768,66.929 59.768,74.5 60.96,75.692 R302B.1@69.962,75.692
TR/SS: R301A.2 R304A.1 U300A.2 | length 14.1
  Top Layer w0.2: R301A.2@57.927,106.998 59.7,106.998 59.817,106.881 59.817,100.821 61.717,98.921 62.178,98.921 U300A.2@62.186,98.913
  Top Layer w0.3: R304A.1@57.658,104.219 R304A.1@57.673,104.204 57.673,105.349 57.927,105.603 R301A.2@57.927,106.998
"TR/SS B": R301B.2 R304B.1 U300B.2 | length 13.2
  Top Layer w0.3: R301B.2@55.499,72.517 55.435,72.453 55.435,69.787 55.499,69.723 59.133,69.723 59.309,69.547 59.309,66.651 61.484,64.476 U300B.2@62.016,64.476
TX: J600.44 U200.29 | length 89.2
  Top Layer w0.3: J600.44@104.013,33.02 104.013,47.117 113.784,56.888 138.604,56.888 140.934,59.218 U200.29@140.934,92.368
"USER BUTTON 0": R208.2 SW201.1 U200.2 | length 42.5
  Top Layer w0.2: 131.572,101.219 131.814,101.219 131.815,101.218 132.263,101.218 132.294,101.187 133.115,101.187 U200.2@133.134,101.168
  Top Layer w0.3: 121.158,114.554 121.158,109.855 121.155,109.852 121.155,109.604 121.793,108.966 v1(126.492,108.966) 126.492,110.871 126.238,111.125 125.984,111.125 125.095,112.014 125.095,117.474 125.821,118.2 SW201.1@125.821,119.829 ; v1(128.905,106.934) 128.905,101.395 129.081,101.219 131.572,101.219
  Top Layer w0.5: R208.2@118.61,111.253 118.61,113.276 121.158,115.824 121.158,114.554
  Bottom Layer w0.3: v1(126.492,108.966) 126.53,108.928 126.911,108.928 v1(128.905,106.934)
"USER BUTTON 1": R209.2 SW202.1 U200.3 | length 47.1
  Top Layer w0.3: 109.855,114.3 v1(117.475,114.3) 117.475,119.38 116.645,120.21 SW202.1@113.756,120.21 ; v1(120.015,112.903) 120.015,109.093 121.031,108.077 v1(126.492,108.077) ; v1(128.27,106.172) 128.27,101.092 128.694,100.668 U200.3@133.134,100.668
  Top Layer w0.5: 109.855,114.3 111.186,112.969 R209.2@111.186,111.126
  Bottom Layer w0.3: v1(117.475,114.3) 118.618,114.3 v1(120.015,112.903) ; v1(126.492,108.077) 127.395,107.174 127.395,107.047 v1(128.27,106.172)
"USRB0 NDB": C208.1 R205.1 R208.1 | length 8.7
  Top Layer w0.3: C208.1@113.392,109.094 113.465,109.167 113.465,111.053 R205.1@113.538,111.126 113.665,111.253 113.665,112.395 114.046,112.776 116.967,112.776 117.635,112.108 R208.1@117.635,111.253
"USRB1 NDB": C209.1 R206.1 R209.1 | length 6.2
  Top Layer w0.3: R206.1@106.665,111.253 106.665,110.235 ; C209.1@106.788,109.093 106.665,109.216 106.665,110.235 ; R209.1@110.236,111.126 110.211,111.126 109.319,110.235 106.665,110.235
"V DIODE1": C500A.2 C501A.2 U500A.10 U500A.11 | length 8.7
  Top Layer w0.2: U500A.11@92.326,51.201 U500A.10@92.826,51.201 92.834,51.209 92.834,51.483 94.261,52.91 C501A.2@94.261,55.77
  Top Layer w0.5: C501A.2@94.261,55.77 C500A.2@94.261,58.818
"V DIODE2": C500B.2 C501B.2 U500B.10 U500B.11 | length 14.3
  Top Layer w0.2: U500B.11@152.781,49.533 U500B.10@153.281,49.533 153.281,50.284 154.178,51.181 158.115,51.181 158.907,51.973 C501B.2@158.907,55.228
  Top Layer w0.5: C501B.2@158.907,55.228 C500B.2@158.907,58.657
"VBAT1 DIV": R200.1 R202.2 U200.15 | length 22.9
  Top Layer w0.2: 131.064,94.107 131.064,94.488 131.244,94.668 U200.15@133.134,94.668
  Top Layer w0.3: R200.1@121.923,83.743 121.923,84.914 122.099,85.09 126.447,85.09 126.622,84.914 ; R202.2@126.622,83.583 126.622,84.914 ; 131.064,94.107 131.064,88.06 130.542,87.538 127.162,87.538 126.622,86.998 126.622,84.914
"VBAT2 DIV": R201.1 R203.2 U200.16 | length 21.2
  Top Layer w0.3: R201.1@124.336,83.646 124.411,83.646 125.73,82.328 125.73,81.837 125.906,81.661 127.586,81.661 127.981,82.056 127.981,83.15 128.287,83.456 130.954,83.456 132.08,84.582 v1(132.08,85.852) ; v1(132.08,87.249) 132.08,93.961 132.287,94.168 U200.16@133.134,94.168
  Bottom Layer w0.3: v1(132.08,85.852) v1(132.08,87.249)
VBUS: J700.2 J700.4 | length 6.4
  Top Layer w0.5: J700.2@163.174,67.243 164.846,68.915 164.846,70.571 J700.4@163.174,72.243
VCC: P200.7 P200.8 P200.9 P200.10 | length 7.6
  Top Layer w0.3: P200.10@162.899,101.219 P200.9@160.359,101.219 P200.7@160.359,103.759 P200.8@162.899,103.759
"VINA TPS": C505A.1 R500A.2 R502A.2 U500A.1 | length 17.8
  Top Layer w0.2: R502A.2@82.666,56.913 R500A.2@82.666,53.865 82.423,53.622 82.423,47.996 82.54,47.879 C505A.1@83.439,47.878 ; C505A.1@83.439,47.878 85.964,47.878 86.346,48.26 90.808,48.26 90.826,48.278 U500A.1@90.826,48.401
"VINA TPS B": C505B.1 R500B.2 R502B.2 U500B.1 | length 15
  Top Layer w0.2: C505B.1@143.891,46.093 151.122,46.093 151.273,46.244 151.273,46.725 U500B.1@151.281,46.733
  Top Layer w0.5: R502B.2@142.991,52.804 142.986,52.798 142.986,50.153 R500B.2@142.98,50.148 142.98,48.028 143.891,47.117 C505B.1@143.891,46.093
VSOLAR: C301A.1 J300A.P NT1A.1 R301A.1 U300A.5 U300A.6 | length 38.5
  Top Layer w0.2: C301A.1@56.769,97.106 56.962,96.913 U300A.6@62.186,96.913 U300A.5@62.186,97.413 62.184,97.411 60.962,97.411 v1(60.96,97.409) ; v1(60.96,96.266) 60.96,94.488 62.865,92.583 NT1A.1@62.865,91.567
  Top Layer w0.3: J300A.P@46.863,102.299 49.721,102.299 49.784,102.362 ; R301A.1@56.627,106.998 52.007,106.998 49.784,104.775 49.784,98.298 50.976,97.106 C301A.1@56.769,97.106
  Bottom Layer w0.2: v1(60.96,96.266) v1(60.96,97.409)
"VSOLAR B": C301B.1 J300B.P NT1B.1 R301B.1 U300B.5 U300B.6 | length 51.3
  Top Layer w0.2: C301B.1@54.722,58.596 58.072,58.596 58.929,59.453 58.96,59.453 59.817,60.309 59.817,62.23 60.034,62.447 61.341,62.447 ; v1(60.579,61.722) 61.622,60.679 NT1B.1@61.622,49.794 ; v1(60.579,62.865) 60.66,62.865 60.742,62.947 61.393,62.947 ; U300B.6@62.044,62.447 61.341,62.447 ; U300B.5@62.044,62.947 61.393,62.947 ; 61.341,62.447 61.393,62.499 61.393,62.947
  Top Layer w0.3: J300B.P@46.561,68.175 50.903,72.517 R301B.1@54.199,72.517 54.199,72.442 52.578,70.821 52.578,59.309 53.291,58.596 C301B.1@54.722,58.596
  Bottom Layer w0.2: v1(60.579,61.722) v1(60.579,62.865)
pads on no net: J300A.S1 J300A.S2 J300B.S1 J300B.S2 J301A.S1 J301A.S2 J301B.S1 J301B.S2 J600.1 J600.3 J600.5 J600.7 J600.8 J600.10 J600.11 J600.12 J600.13 J600.15 J600.16 J600.17 J600.18 J600.19 J600.21 J600.22 J600.23 J600.24 J600.26 J600.27 J600.28 J600.29 J600.31 J600.32 J600.33 J600.35 J600.36 J600.37 J600.38 J600.40 J700.6 P200.3 U400A.4 U400B.4
copper on no net:
  other v2: 29.11,-59 29.11,-59 29.11,-59 29.11,-59 29.11,-59 29.11,-59 29.11,-59 29.11,-59 29.591,27.559 169.799,27.559 28.154,28.154 31.028,28.154 168.362,28.154 171.236,28.154 27.559,29.591 31.623,29.591 167.767,29.591 171.831,29.591 28.154,31.028 31.028,31.028 168.362,31.028 171.236,31.028 29.591,31.623 169.799,31.623 29.591,123.952 169.672,123.952 28.154,124.547 31.028,124.547 168.235,124.547 171.109,124.547 27.559,125.984 31.623,125.984 167.64,125.984 171.704,125.984 28.154,127.421 31.028,127.421 168.235,127.421 171.109,127.421 29.591,128.016 169.672,128.016
  other v4: 29.11,-59 29.591,29.591 169.799,29.591 29.591,125.984 169.672,125.984

## Polygon pours and split planes (outlines as drawn)
GND on Top Layer "GND" (solid, pour order 0): 26.67,129.54 172.72,129.54 173.355,128.905 173.355,26.67 172.72,26.035 26.67,26.035 26.035,26.67 26.035,45.466 26.797,46.228 32.385,46.228 33.147,46.99 33.147,111.887 32.385,112.649 26.416,112.649 25.908,113.157 25.908,128.778
GND on Bottom Layer "GND" (solid, pour order 1): 25.908,128.016 25.908,128.778 26.67,129.54 172.72,129.54 173.355,128.905 173.355,26.67 172.72,26.035 26.67,26.035 26.035,26.67 26.035,45.466 26.797,46.228 32.385,46.228 33.147,46.99 33.147,111.887 32.385,112.649 26.416,112.649 25.908,113.157 25.908,128.778

## Keep-outs
Keep-Out Layer:
  lines w0.508: 25.4,26.797 ccw(c26.67,26.797) 26.67,25.527 172.593,25.527 ccw(c172.593,26.797) 173.863,26.797 173.863,128.016 173.863,128.905 ccw(c172.593,128.905) 172.593,130.175 26.67,130.175 ccw(c26.67,128.905) 25.4,128.905 25.4,128.016 25.4,126.873 25.4,113.411 ccw(c26.67,113.411) 26.67,112.141 31.496,112.141 cw(c31.496,110.871) 32.766,110.871 32.766,47.879 cw(c31.496,47.879) 31.496,46.609 26.67,46.609 ccw(c26.67,45.339) 25.4,45.339 25.4,26.797